# Altium PCB PCB1.PcbDoc
Units mm, origin at the board's own origin, x right, y up, seen from the top; angles counter-clockwise.
Board outline 58 x 86.3 mm, 4 copper layers (Top Layer, GND, Power, Bottom Layer), stack 0.603 mm thick; 70 components, 47 nets, 296 pads, 57 vias.
Unrouted connection lines stored in the file: 1.
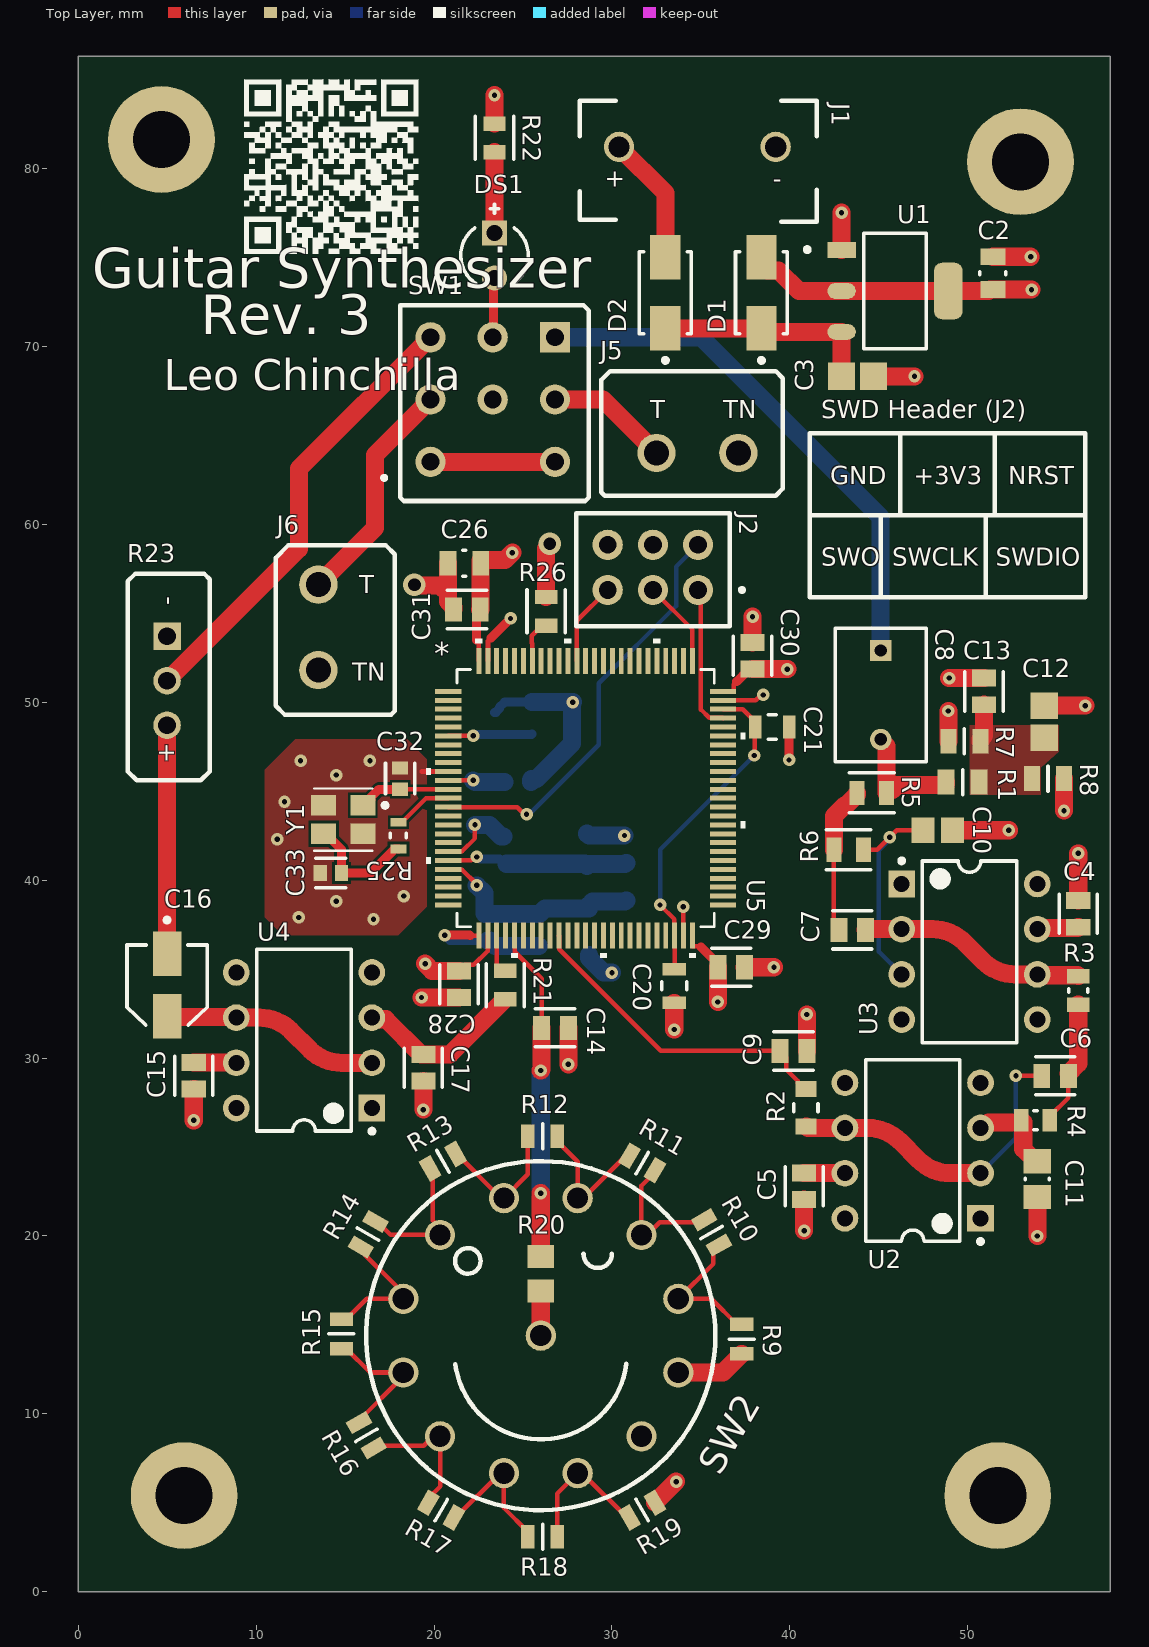
[diagram p0: Top Layer view]
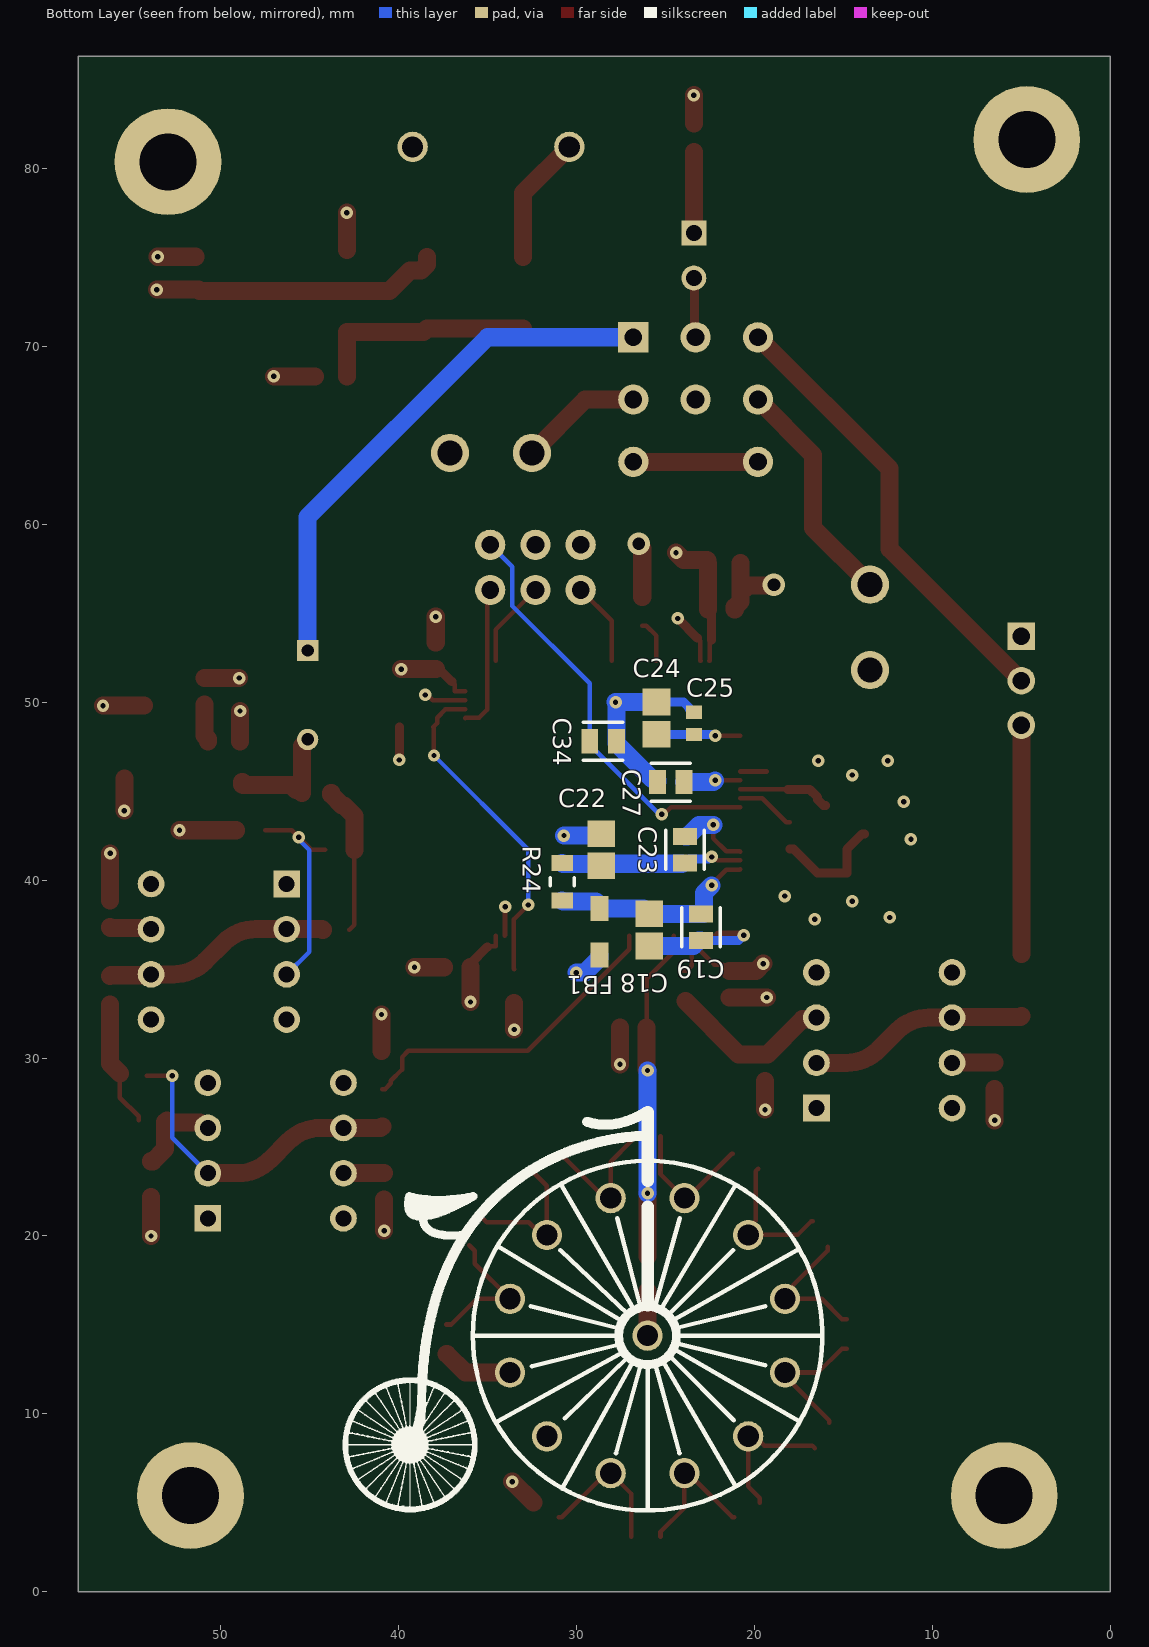
[diagram p1: Bottom Layer view, seen from below]
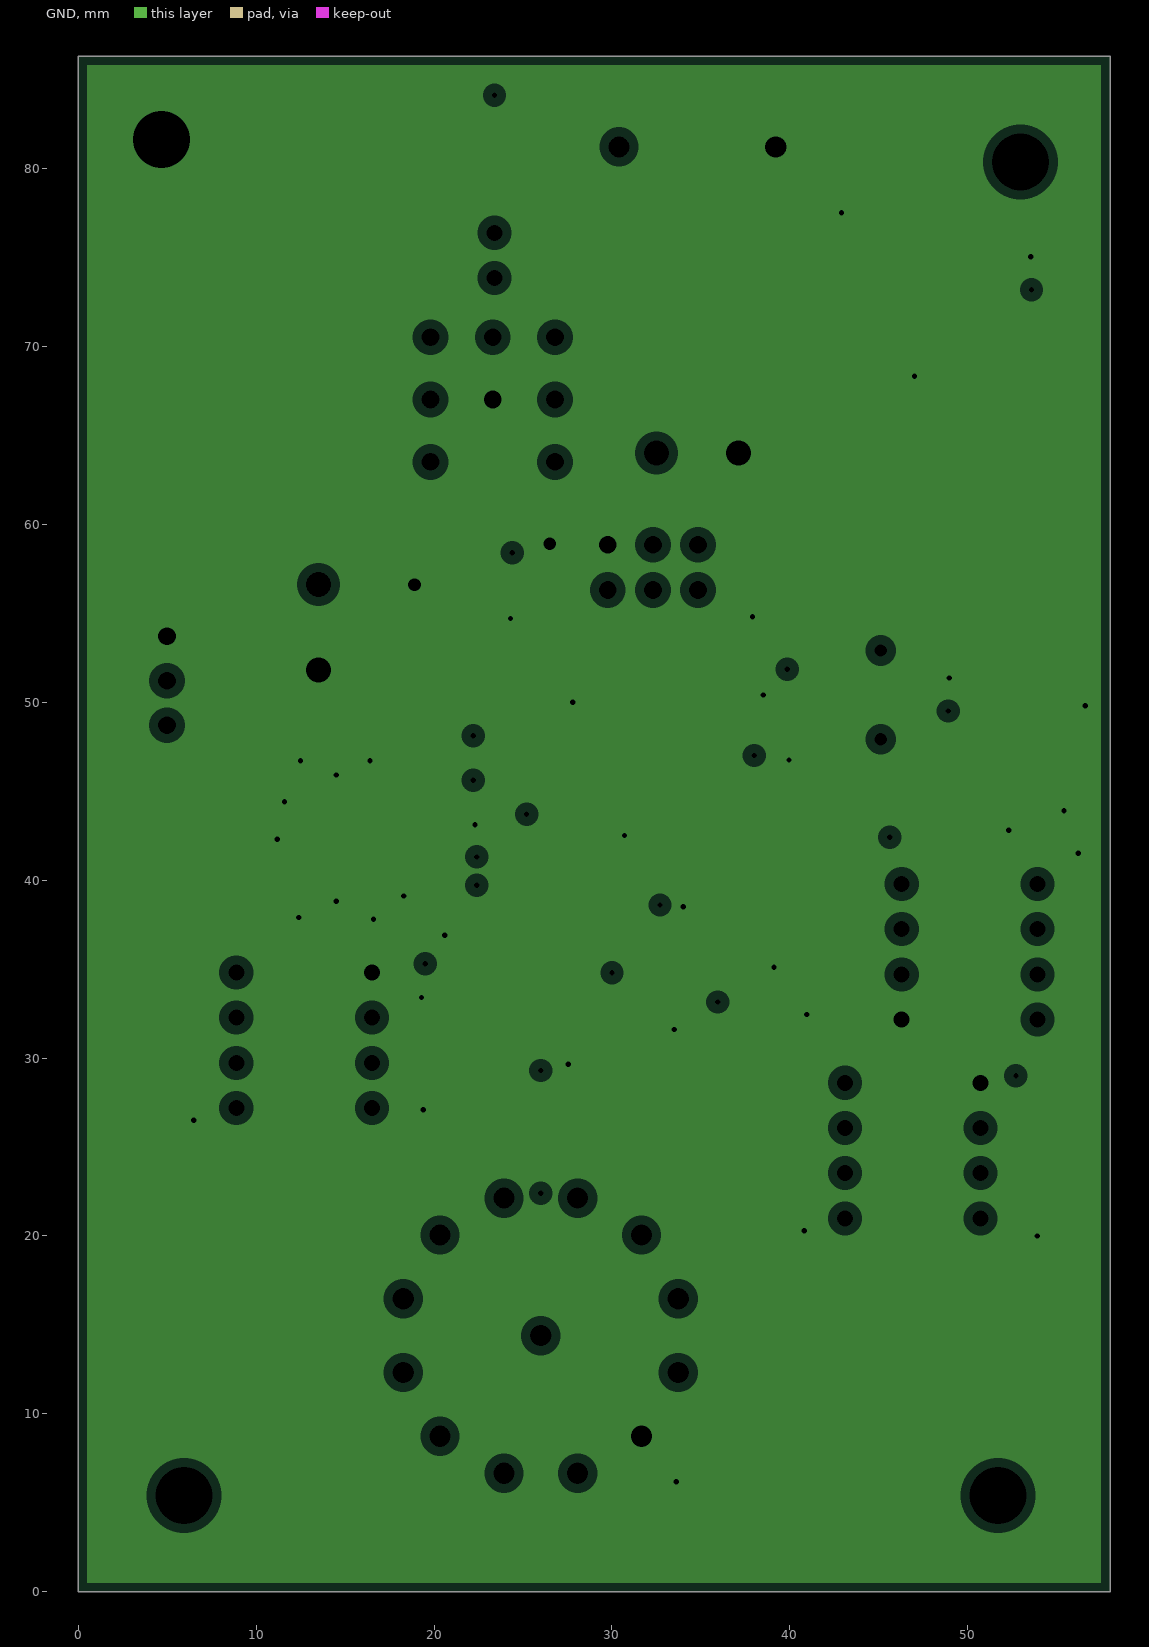
[diagram p2: GND, clearances drawn from the general rule]
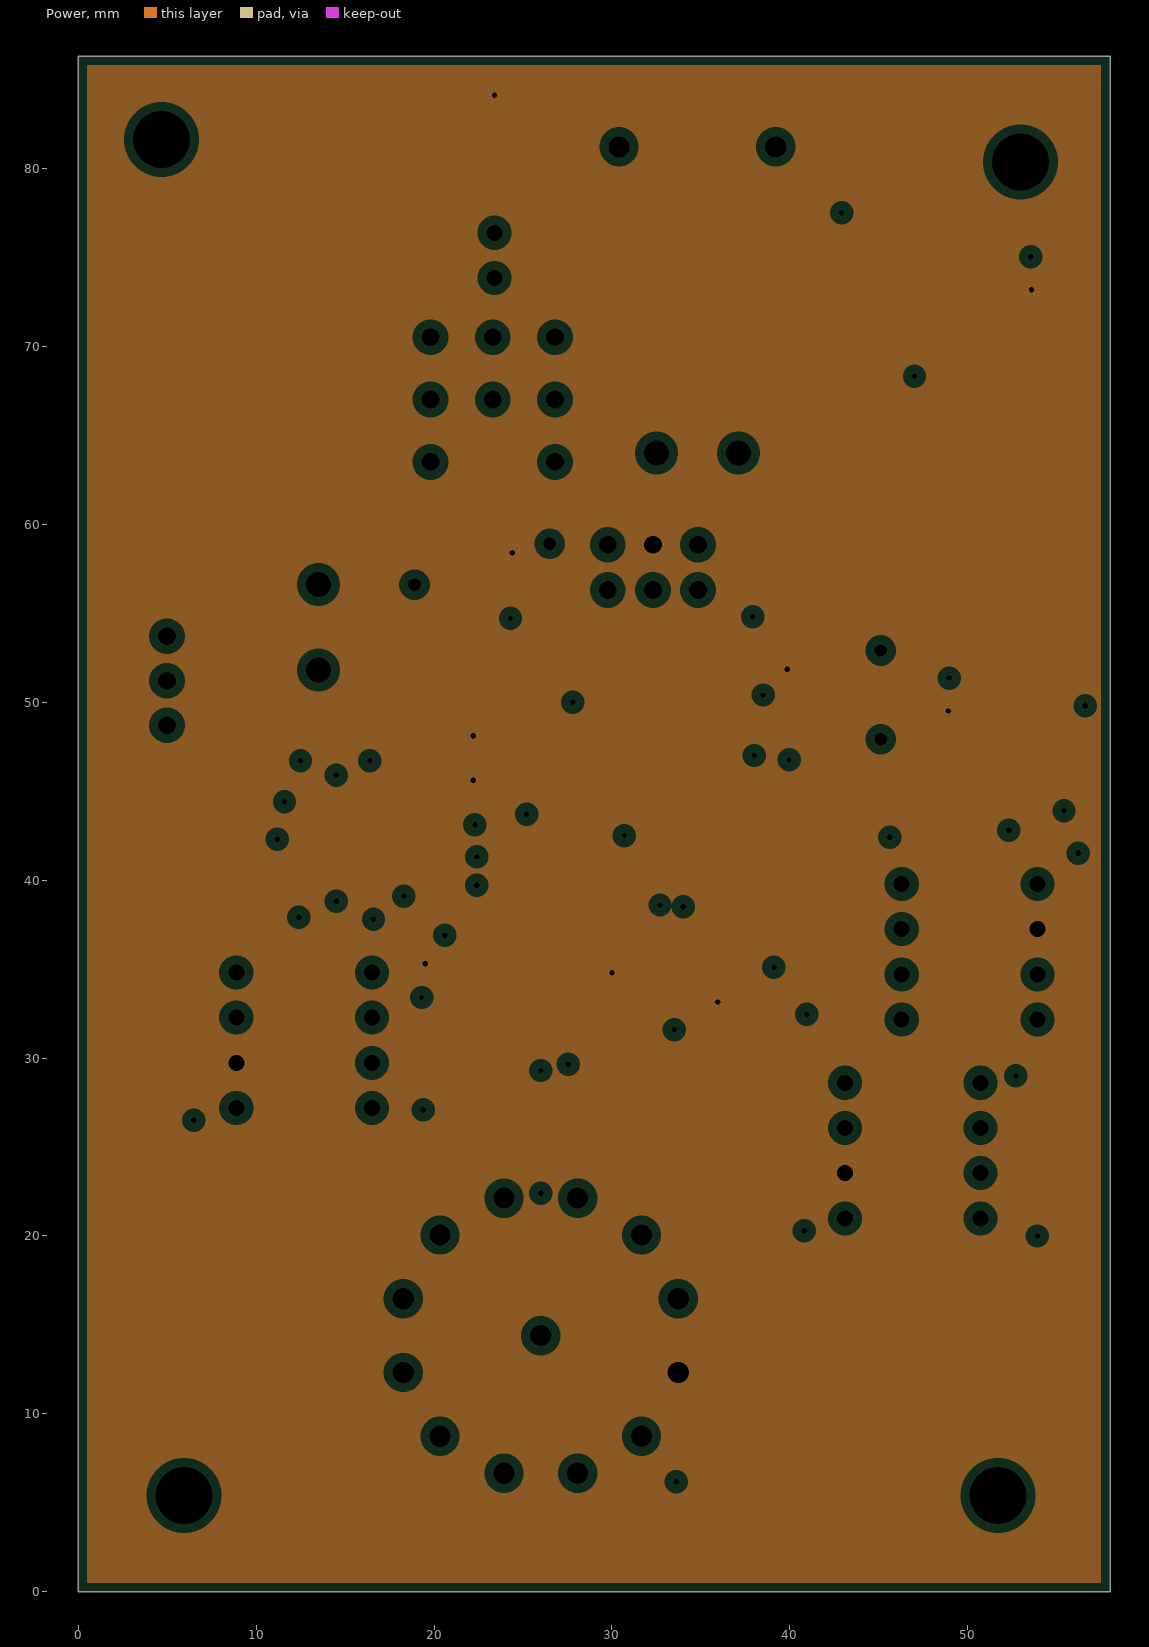
[diagram p3: Power, clearances drawn from the general rule]
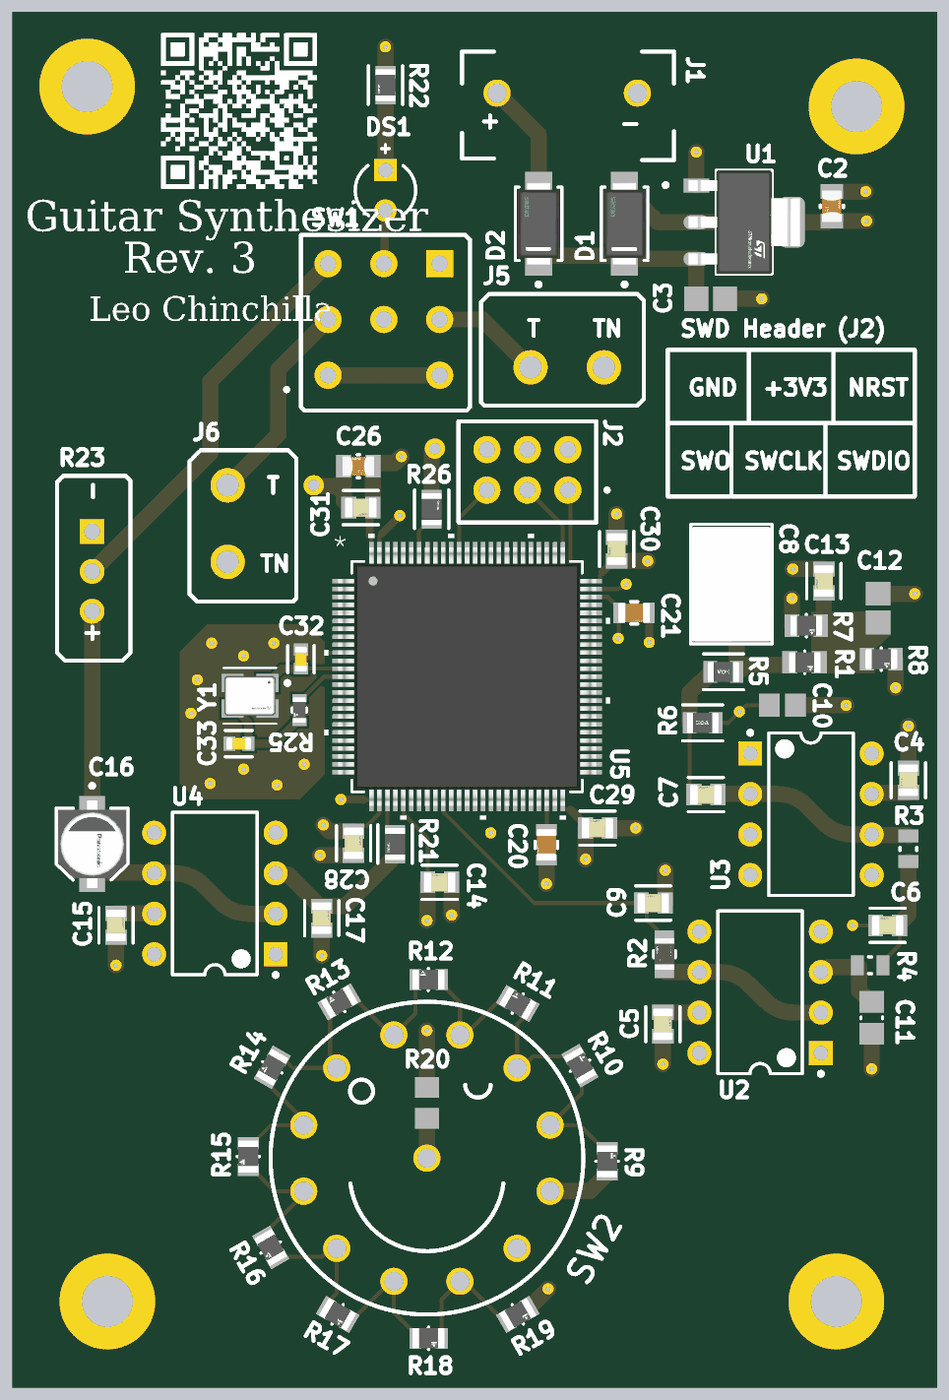
[diagram p4: 3D render of the assembled board from above, using the file's embedded part models]
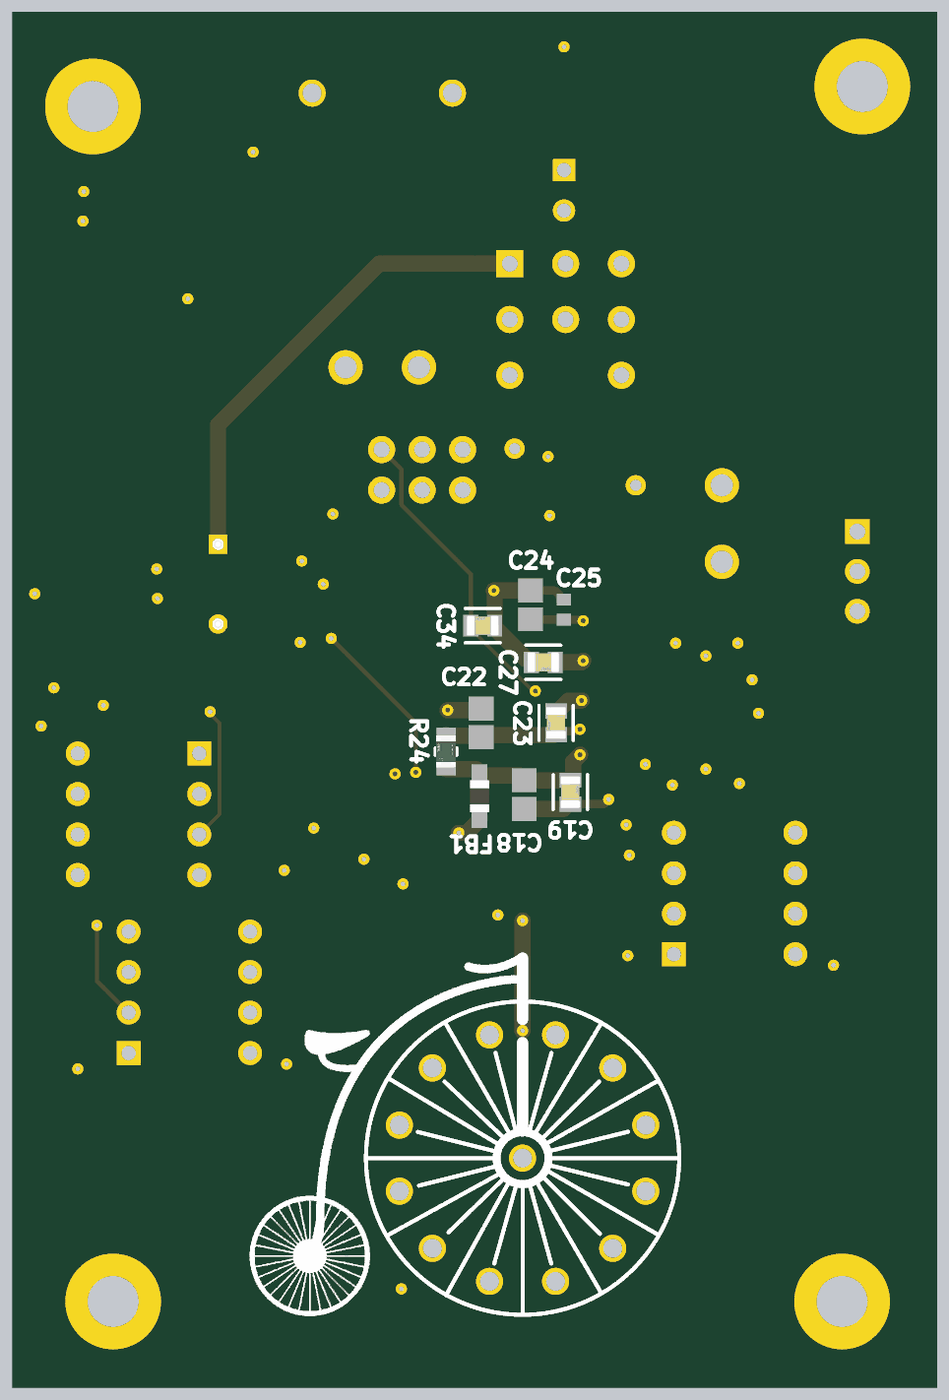
[diagram p5: 3D render of the assembled board from below, using the file's embedded part models]

## Layer stack, top to bottom
Top Solder: solder mask 0.0102, Solder Resist, Dk 3.5
Top Layer: signal copper 0.0356
Dielectric 2: prepreg 0.0711, PP-006, Dk 4.1
GND: plane copper 0.035, net GND
Dielectric 1: dielectric 0.32, FR-4, Dk 4.8
Power: plane copper 0.035, net +3V3
Dielectric 3: prepreg 0.0711, PP-006, Dk 4.1
Bottom Layer: signal copper 0.0356
Bottom Solder: solder mask 0.0102, Solder Resist, Dk 3.5

## Board outline
0,0 58,0 58,86.3 0,86.3

## Design rules (kind name [scope] priority, off if disabled: settings)
Clearance Clearance_1 [All] p1: gap=0.15 ignorepadtopadclearanceinfootprint=TRUE
Clearance Clearance_PadtoPad [IsPad vs IsPad] p2: gap=0.15 ignorepadtopadclearanceinfootprint=FALSE
HoleSize [All] p1: absolutevalues=TRUE maxlimit=6.3 minlimit=0.3 maxpercent=80.000 minpercent=20.000
HoleToHoleClearance [All] p1: gap=0.2 allowstackedmicrovias=TRUE
MinimumAnnularRing [All] p1: minimumring=0.2
MinimumSolderMaskSliver [All] p1: minsoldermaskwidth=0.1
PlaneClearance [All] p1: clearance=0.508
PlaneConnect [All] p1: planeconnectstyle=Relief reliefexpansion=0.508 reliefentries=4 reliefconductorwidth=0.254 reliefairgap=0.254
PolygonConnect [All] p1: connectstyle=Direct reliefconductorwidth=0.254 reliefentries=4 polygonreliefangle="90 Angle" airgapwidth=0.254
RoutingVias [All] p1: holewidth=0.3 width=0.7 viastyle="Through Hole" minholewidth=0.2 minwidth=0.6 maxholewidth=0.711 maxwidth=1.27
SilkToSolderMaskClearance [IsPad] p1: minsilkscreentomaskgap=0.15 clearancetoexposedcopper=TRUE
SolderMaskExpansion [All] p1: expansion=0 istentingtop=FALSE
SupplyNets "Schematic Supply Nets_7" [InNet('VDDA')] p1: voltage=0.000
SupplyNets "Schematic Supply Nets_6" [InNet('VREF+')] p2: voltage=0.000
SupplyNets "Schematic Supply Nets_4" [InNet('VCAP')] p3: voltage=0.000
SupplyNets "Schematic Supply Nets_5" [InNet('+9V')] p4: voltage=0.000
SupplyNets "Schematic Supply Nets_3" [InNet('+9V_PROT')] p5: voltage=0.000
SupplyNets "Schematic Supply Nets_2" [InNet('GND')] p6: voltage=0.000
SupplyNets "Schematic Supply Nets_1" [InNet('+1V65')] p7: voltage=0.000
SupplyNets "Schematic Supply Nets" [InNet('+3V3')] p8: voltage=0.000
Width GND_Width [InNet('GND')] p1: maxlimit=1.016 minlimit=0.254 preferedwidth=0.508
Width +9V_Width [InNet('9V')] p2: maxlimit=1.016 minlimit=0.508 preferedwidth=1.016
Width +9V_PROT_Width [InNet('+9V_PROT')] p3: maxlimit=1.016 minlimit=0.508 preferedwidth=1.016
Width +3V3_Width [InNet('+3V3')] p4: maxlimit=1.016 minlimit=0.254 preferedwidth=0.508
Width Width_1 [All] p5: maxlimit=1.016 minlimit=0.254 preferedwidth=0.254
24 further rules are at their usual default settings.

## Classes and differential pairs
component class "MCU Power": C18 C19 C20 C21 C22 C23 C24 C25 C26 C27 C28 C29 C30 C31 FB1 R24
component class "MCU IOs": C32 C33 C34 J2 R25 R26 U5 Y1
component class "Preset Selection": C14 R9 R10 R11 R12 R13 R14 R15 R16 R17 R18 R19 R20 SW2
component class "Board Power": C2 C3 D1 D2 U1
component class "Master Control": DS1 R22
component class "Analog Output": C15 C16 C17 R21 U4
component class "Analog Input": C4 C5 C6 C7 C8 C9 C10 C11 C12 C13 R1 R2 R3 R4 R5 R6 R7 R8 U2 U3

## Components (designator, comment, footprint, x,y, rotation, side; value= is the part's Value field where it differs from the comment)
C2 "4.7uF" FP-CC0805-0_85-MFG 51.4,74.1 r90 top value="4.7 uF"
C3 "1uF" CAPC2013X140X50ML20T25 43.8,68.3 r180 top
C4 "100nF" FP-C0805C-DN-MFG 56.2,38.1 r90 top value="0.10 μF"
C5 "100nF" FP-C0805C-DN-MFG 40.8,22.8 r270 top value="0.10 μF"
C6 "3.3nF" FP-C0805C-DN-MFG 54.9,29 r0 top value="3,300 pF"
C7 "1.5nF" FP-C0805C-DN-MFG 43.5,37.2 r0 top value="1,500 pF"
C8 "1uF" FP-R82DC4100DQ60J-MFG 45.1,50.4 r270 top
C9 "1nF" FP-C0805C-DN-MFG 40.2,30.4 r0 top value="1,000 pF"
C10 "1.2nF" CAPC2013X145X48NL20T23 48.3,42.8 r180 top
C11 "0.47nF" CAPC0805(2012)100_M 53.9,23.2 r90 top value=470pF
C12 "10uF" CAPC2013X145X50ML20T25 54.3,48.9 r270 top
C13 "100nF" FP-C0805C-DN-MFG 50.9,50.6 r90 top value="0.10 μF"
C14 "100nF" FP-C0805C-DN-MFG 26.8,31.7 r0 top value="0.10 μF"
C15 "100nF" FP-C0805C-DN-MFG 6.5,29 r270 top value="0.10 μF"
C16 "10uF" FP-FKB-MFG 5,34.1 r270 top
C17 "6.8nF" FP-C0805C-DN-MFG 19.4,29.45 r270 top value="6,800 pF"
C18 "1uF" CAPC2013X140X50ML20T25 25.9,37.2 r90 bottom
C19 "100nF" FP-C0805C-DN-MFG 23,37.35 r270 bottom value="0.10 μF"
C20 "2.2uF" FP-GRT21B-0_15-MFG 33.5,34.05 r270 top
C21 "2.2uF" FP-GRT21B-0_15-MFG 39,48.6 r0 top
C22 "1uF" CAPC2013X140X50ML20T25 28.6,41.7 r270 bottom
C23 "100nF" FP-C0805C-DN-MFG 23.9,41.7 r90 bottom value="0.10 μF"
C24 "1uF" CAPC2013X140X50ML20T25 25.5,49.1 r270 bottom
C25 "100nF" CAPC1608X92X38LL15T08 23.4,48.8 r270 bottom
C26 "4.7uF" FP-CC0805-0_85-MFG 21.7,57.8 r180 top value="4.7 uF"
C27 "100nF" FP-C0805C-DN-MFG 24.7,45.5 r0 bottom value="0.10 μF"
C28 "100nF" FP-C0805C-DN-MFG 21.4,34.15 r270 top value="0.10 μF"
C29 "100nF" FP-C0805C-DN-MFG 36.7,35.1 r0 top value="0.10 μF"
C30 "100nF" FP-C0805C-DN-MFG 37.9,52.6 r90 top value="0.10 μF"
C31 "100nF" FP-C0805C-DN-MFG 21.85,55.2 r180 top value="0.10 μF"
C32 "8pF" FP-CBR06C-MFG 18.1,45.7 r90 top value="8.0 pF"
C33 "8pF" FP-CBR06C-MFG 14.2,40.4 r180 top value="8.0 pF"
C34 "100nF" FP-C0805C-DN-MFG 28.5,47.8 r180 bottom value="0.10 μF"
D1 "B160-13-F" FP-SMA-MFG 38.4,73 r90 top
D2 "B160-13-F" FP-SMA-MFG 33,73 r90 top
DS1 "LTL-1CHE" INDPR60-254-520X380X650 23.4,75.1 r270 top
FB1 "600Ω @ 100MHz" WE-MPSB_0805_L2W1.2H0.9 28.7,37.1 r90 bottom
J2 "ST-LINK" PCBComponent_1#1 29.76,58.84 r270 top
R1 "1MΩ" FP-MCU0805-IPC_B 49.7,45.5 r0 top
R2 "100Ω" FP-RT0805-MFG 40.9,27.2 r90 top
R3 "10.7kΩ" RESC2013X60X35LL10T20 56.2,33.8 r270 top
R4 "10.7kΩ" RESC2013X60X35LL10T20 53.8,26.5 r180 top
R5 "9.88kΩ" FP-RN73R2A-IPC_C 44.6,44.9 r180 top
R6 "9.88kΩ" FP-RN73R2A-IPC_C 43.3,41.7 r0 top
R7 "100kΩ" FP-MCU0805-MFG 49.8,47.8 r0 top
R8 "100kΩ" FP-MCU0805-MFG 54.5,45.7 r0 top
R9 "10kΩ" FP-MCU0805-IPC_C 37.3,14.2 r90 top
R10 "10kΩ" FP-MCU0805-IPC_C 35.6,20.2 r120 top
R11 "10kΩ" FP-MCU0805-IPC_C 31.7,24.1 r150 top
R12 "10kΩ" FP-MCU0805-IPC_C 26.1,25.6 r180 top
R13 "10kΩ" FP-MCU0805-IPC_C 20.5,24.2 r210 top
R14 "10kΩ" FP-MCU0805-IPC_C 16.3,20.1 r240 top
R15 "10kΩ" FP-MCU0805-IPC_C 14.8,14.5 r270 top
R16 "10kΩ" FP-MCU0805-IPC_C 16.2,8.8 r300 top
R17 "10kΩ" FP-MCU0805-IPC_C 20.4,4.6 r330 top
R18 "10kΩ" FP-MCU0805-IPC_C 26.1,3.1 r0 top
R19 "10kΩ" FP-MCU0805-IPC_C 31.7,4.6 r30 top
R20 "1kΩ" RESC2013X55X40ML15T20 26,17.875 r90 top
R21 "1kΩ" FP-AT0805-IPC_C 24,34.1 r270 top
R22 "1kΩ" FP-AT0805-IPC_C 23.4,81.7 r270 top
R24 "47Ω" FP-RT0805-MFG 30.8,39.9 r90 bottom
R25 "0Ω" FP-CRCW0603-C-MFG 18,42.5 r90 top
R26 "10kΩ" FP-AT0805-IPC_C 26.3,55.1 r90 top
SW2 "KC52A10.001NPS" PCBComponent_1#2 26,14.4 r0 top